# Allegro board RK3588S_Template_LP4XD200P232SD8H2_31X31_2133MHz_H1R0_V11_20220218YWQ.brd (continued)
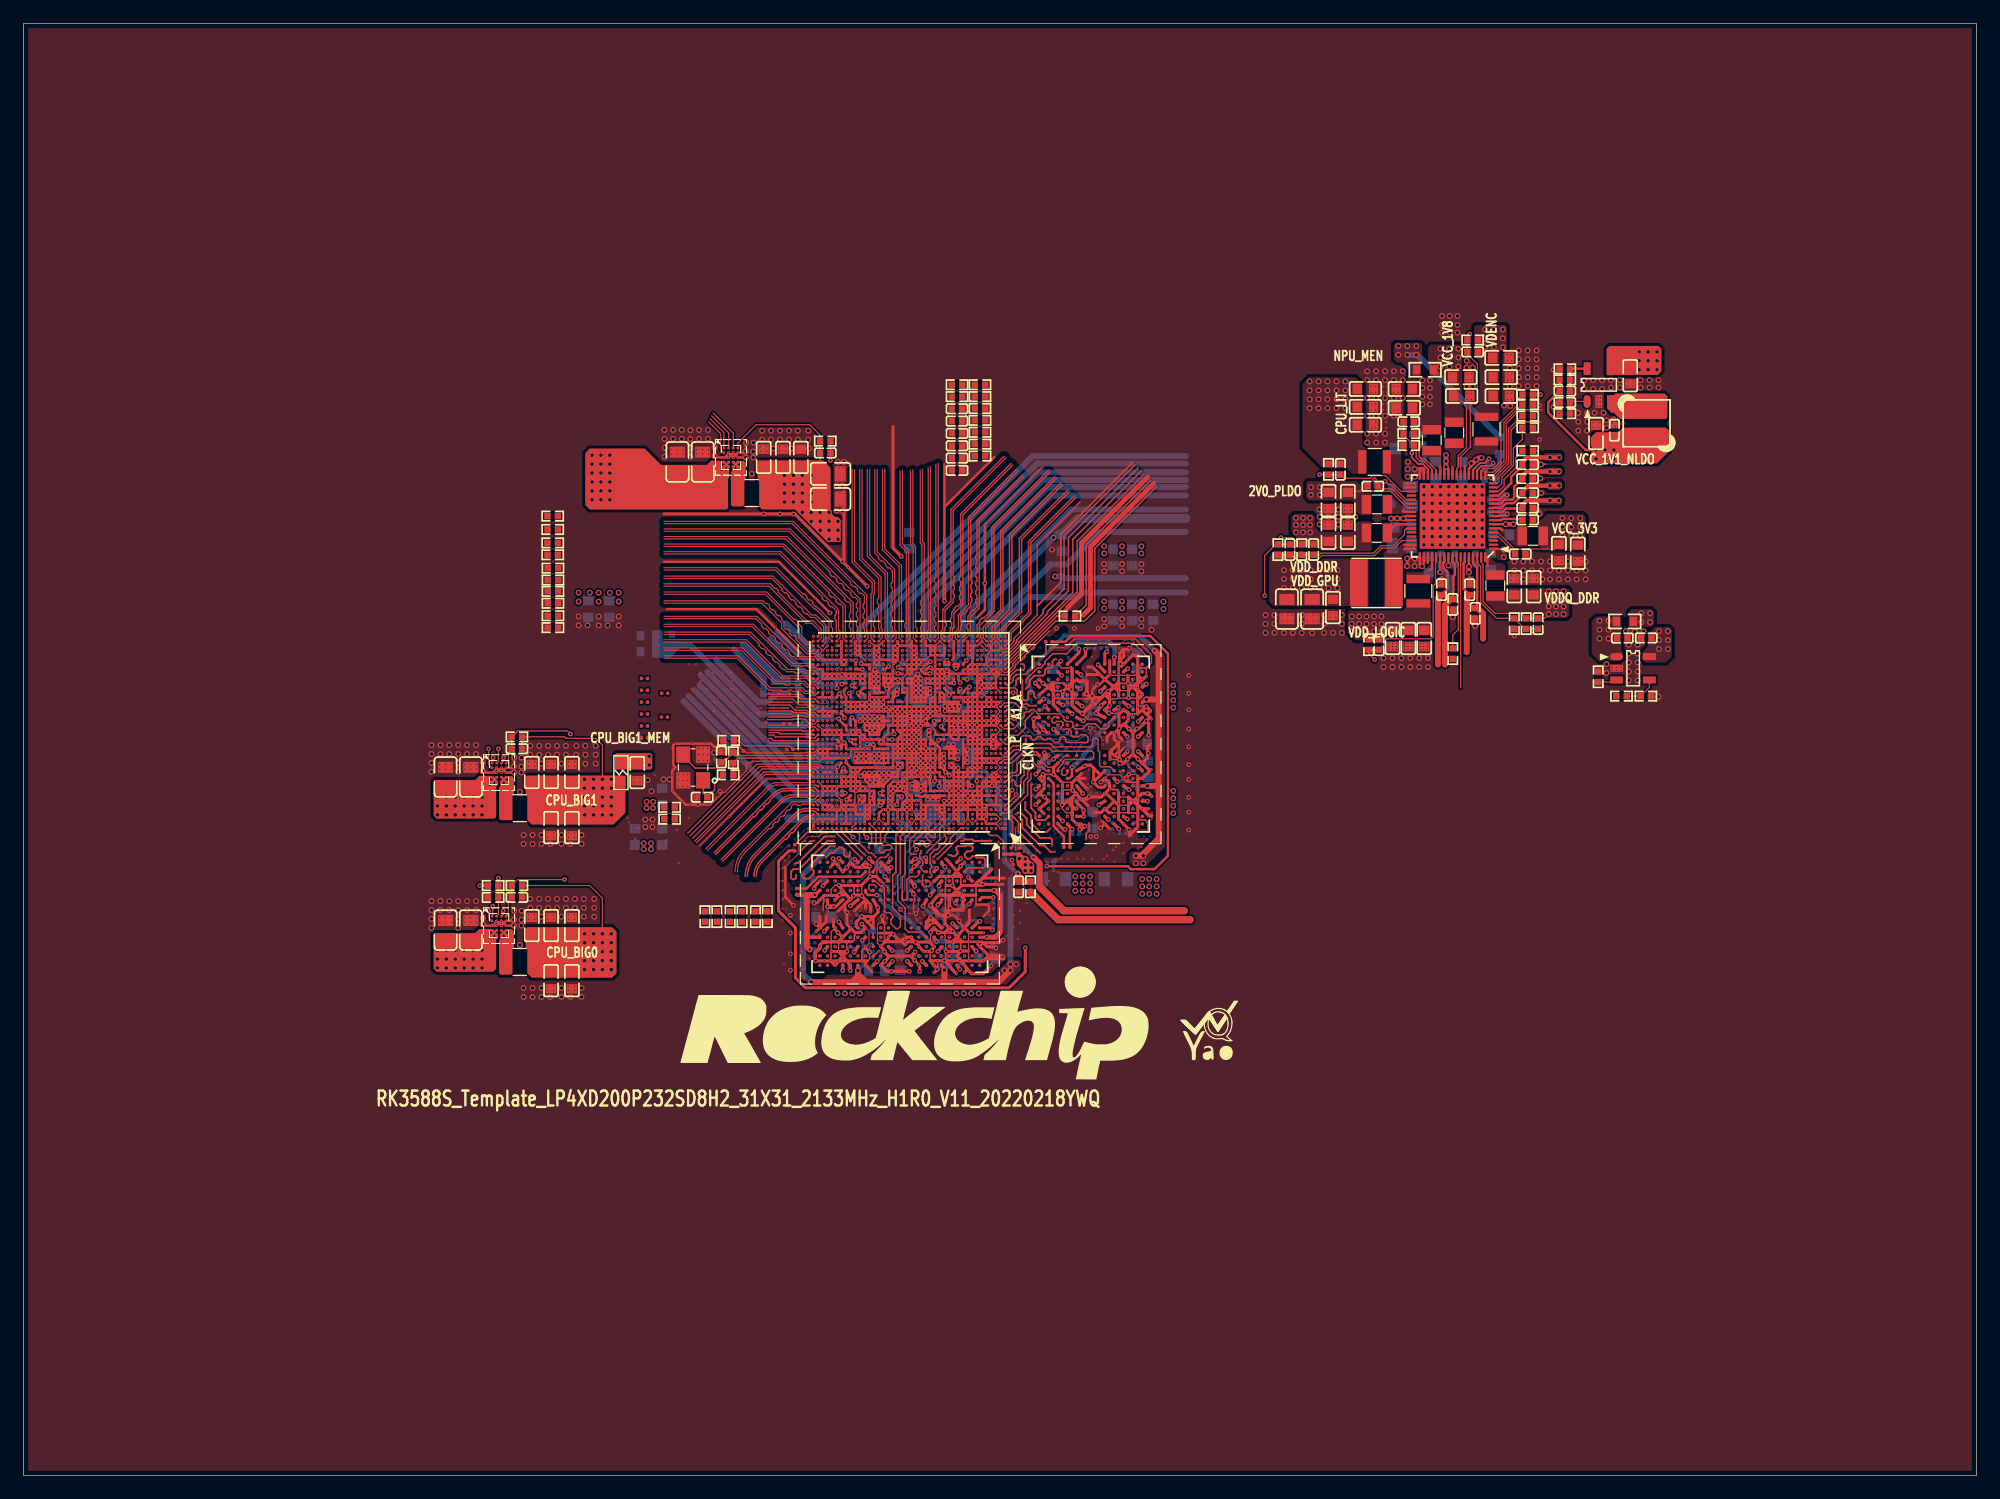
[diagram p0: board, top side]
## Routing (per net, layer and track width the routed paths; a pad name or vN(x,y) marks a point on that pad's centre or on a via; arc(x,y) is an arc through that point) (continued)
; v7(72.69,69.7) v7(72.69,70.1) ; 81.09,64.19 v2(81.09,63.7) ; 81.09,64.19 v1(81.06,64.15) ; v2(81.09,63.7) v2(81.09,63.3) ; v2(81.09,63.7) v2(80.69,63.7) ; v2(76.69,65.7) v2(77.09,65.7) ; v1(74.66,70.9) v7(74.29,70.9) v7(74.29,70.5) ; v1(74.66,70.9) v7(75.09,70.9) v7(75.49,70.9) v7(75.89,70.9) ; v2(71.09,60.1) v2(70.69,60.1) ; v2(71.09,60.1) v2(71.09,59.7) ; v2(71.09,60.1) 71.29,60.1 71.49,60.3 v2(71.49,60.5) ; v2(71.09,60.1) v7(71.09,60.5) ; v2(70.69,60.1) U1000.P34 ; v2(79.89,64.9) v2(79.89,64.5) ; v2(75.09,56.9) 74.75,56.9 ; v1(76.4,60.05) 76.63,60.05 v2(76.71,60.12) ; v1(76.4,60.05) 76.35,60.1 ; v1(76.4,60.05) 76.4,59.74 76.43,59.72 ; v7(73.89,58.09) U1000.G26 ; v7(73.89,58.09) v7(73.89,58.5) ; v1(75.08,65.25) 75.06,65.28 v1(74.68,65.28) ; v1(75.08,65.25) 75.49,65.25 ; v2(77.49,67.7) v2(77.89,67.7) ; 76.43,59.72 76.68,59.72 v7(76.69,59.7) ; 76.43,59.72 v7(76.41,59.7) v7(75.89,59.7) ; v2(76.29,61.3) v2(76.29,60.9) ; v2(76.29,61.3) v7(76.29,61.65) 76.29,61.67 ; v2(76.29,61.3) v2(75.89,61.3) ; v2(76.29,60.9) 76.29,60.46 v1(76.3,60.45) ; v2(76.29,60.9) 76.62,60.9 v1(76.66,60.86) ; v2(76.29,60.9) v7(75.89,60.9) ; 82.29,69.77 v2(82.29,70.1) ; 82.29,69.77 U1000.AT5 v2(81.89,69.3) v7(81.49,69.3) ; 82.29,69.77 v7(82.36,69.7) v2(82.69,69.7) ; v2(74.69,61.3) v7(74.69,61.7) ; v2(74.69,61.3) v2(74.29,61.3) ; v2(74.69,61.3) v7(75.09,61.3) ; v7(74.69,61.7) v7(74.69,62.1) ; v7(74.69,61.7) v2(74.29,61.7) ; v2(81.89,65.7) 81.89,66.07 v2(81.86,66.1) ; v2(81.89,65.7) v7(81.89,64.9) ; v2(81.89,65.7) v7(82.29,65.7) ; U1000.AR41 U1000.AR40 v7(68.29,68.5) ; v2(76.29,64.9) 75.72,64.9 v1(75.72,64.9) 75.71,64.9 U1000.AE22 ; v2(76.29,64.9) U1000.AE19 ; v2(76.29,64.9) v7(76.29,64.5) ; v7(69.09,58.9) v7(68.69,58.9) ; v7(69.09,58.9) U1000.K37 ; v7(69.09,58.9) v7(69.09,58.5) ; v7(68.69,58.9) v7(68.69,58.5) ; v7(68.69,58.9) v7(68.29,58.9) v7(68.29,58.5) ; v1(81.46,64.15) 81.49,64.18 ; v1(81.46,64.15) v1(81.06,64.15) ; v7(68.29,55.7) 68.29,56.08 68.28,56.1 ; v2(71.09,68.1) v2(70.69,68.1) ; 76.35,60.1 76.3,60.15 v1(76.3,60.45) ; v2(69.09,56.9) v7(68.69,56.9) ; v2(69.09,56.9) v2(69.49,56.9) ; 92.94,61.77 v2(93.19,61.52) ; v2(93.19,61.52) 93.31,61.52 93.58,61.26 ; v2(93.19,61.52) v2(93.58,61.91) 93.58,62.59 v2(93.73,62.74) ; v2(79.89,60.1) 79.89,60.42 v1(79.86,60.45) 79.81,60.5 v2(79.49,60.5) ; v2(79.89,60.1) v2(79.49,60.1) ; 81.49,58.9 81.49,58.89 v2(81.49,58.5) ; 81.49,58.9 v2(81.49,58.9) ; 81.49,58.9 82.25,58.9 ; v7(77.49,59.7) v7(77.09,59.7) ; v7(77.49,59.7) 77.49,59.56 77.44,59.5 77.44,59.22 77.49,59.16 v2(77.49,58.9) 77.49,58.52 77.52,58.5 v2(77.89,58.5) v2(78.29,58.5) v2(78.69,58.5) ; v7(77.49,59.7) v2(77.49,60.1) ; v7(77.09,59.7) v7(76.69,59.7) ; v7(82.69,64.1) v7(83.09,64.1) U1000.AD3 ; v2(76.29,69.3) v2(76.29,68.9) v2(75.89,68.9) ; v2(76.29,69.3) v2(75.89,69.3) ; v2(76.29,69.3) v7(76.29,70.1) ; v7(73.89,58.5) v7(73.89,58.9) ; v7(68.29,68.5) v7(68.29,68.1) v7(68.69,68.1) ; v7(68.29,68.5) v7(68.69,68.5) ; v2(79.89,64.5) v2(80.29,64.5) ; v1(71.15,58.53) 71.12,58.5 v2(70.69,58.5) v2(70.69,58.9) ; v2(78.69,58.5) v2(78.69,58.9) ; v1(77.06,64.47) 77.03,64.5 v7(76.69,64.5) ; v1(77.06,64.47) 77.49,64.89 v1(77.49,64.9) ; v2(77.89,70.1) 77.49,70.1 v7(77.49,70.5) ; v2(77.89,70.1) v7(77.89,70.5) ; v2(77.89,70.1) v7(77.89,69.7) v2(77.89,69.3) v2(77.89,68.9) ; v2(77.89,70.1) v7(78.29,70.1) v2(78.69,70.1) v7(78.69,70.5) v7(78.69,70.9) ; v2(79.09,64.9) v2(78.69,64.9) ; v2(79.09,64.9) v2(79.09,64.5) ; v7(74.69,62.1) v7(74.29,62.1) ; v7(74.69,62.1) v7(75.09,62.1) ; v7(74.69,62.1) v2(74.69,62.5) ; v7(74.29,62.1) v2(74.29,61.7) ; v7(74.29,62.1) 74.29,62.43 v2(74.29,62.43) ; v2(81.89,68.5) v2(81.49,68.5) ; v2(81.89,68.5) v2(82.29,68.5) 82.63,68.5 ; v2(81.89,68.5) v2(81.89,68.1) ; v2(81.49,68.5) v2(81.49,68.1) ; v2(81.49,68.5) v2(81.09,68.5) ; v2(81.49,68.5) 81.49,68.88 ; v7(68.69,63.3) v7(68.69,63.7) ; v7(68.69,63.3) v7(69.09,63.3) ; v7(68.69,63.3) v7(68.29,63.3) v7(68.29,63.7) v7(68.69,63.7) ; v7(68.69,63.7) v7(69.09,63.7) ; v2(78.29,56.5) 78.29,56.6 ; U3801.P10 73.25,45.23 73.56,45.54 ; v7(77.49,61.7) v7(77.89,61.7) ; U1000.AE22 75.49,65.25 75.49,65.25 ; U1000.AE22 U1000.AD22 ; v7(75.89,69.7) v2(75.89,69.3) ; v7(75.89,69.7) v7(75.89,70.1) ; v2(75.89,69.3) v7(75.49,69.3) ; v2(75.89,69.3) v2(75.89,68.9) ; v2(75.89,65.3) v2(75.54,65.3) 75.49,65.26 ; v2(75.89,65.3) 75.89,64.01 ; 73.86,68.5 v2(74.29,68.5) ; 73.86,68.5 v2(73.49,68.5) 73.49,68.1 ; v7(69.49,56.1) 69.49,56.9 v2(69.49,56.9) ; v7(69.49,56.1) v7(69.04,56.1) ; v7(69.49,56.1) U1000.C37 ; v2(71.09,59.7) v2(71.09,59.3) ; v7(68.29,61.7) v7(68.69,61.7) ; v2(40.44,60.47) 40.44,60.47 v2(40.84,60.07) v2(41.24,60.47) 41.8,60.47 v5(41.91,60.58) 41.91,61.32 v5(41.94,61.34) ; v7(71.89,55.7) 71.89,56.06 ; v2(79.09,58.9) 79.09,58.58 v1(79.13,58.54) ; v2(79.09,58.9) v2(79.09,59.3) ; v2(79.09,58.9) v2(78.69,58.9) ; v2(76.69,63.7) v7(76.69,63.3) ; v7(76.69,63.3) v1(76.29,63.3) ; v7(76.69,63.3) v7(76.69,62.9) ; v7(71.09,70.5) v7(71.49,70.5) ; v7(71.09,70.5) v7(71.09,70.1) v2(71.49,70.1) v7(71.49,70.5) ; v7(71.09,70.5) v7(71.09,70.9) ; v7(71.49,70.5) v7(71.49,70.9) v7(71.09,70.9) ; v7(77.89,65.3) v7(77.49,65.3) ; v7(77.89,65.3) v2(77.89,65.7) ; v7(77.89,65.3) 78.13,65.3 v1(78.21,65.22) ; v7(77.89,65.3) v2(77.89,64.9) ; v7(77.49,65.3) v1(77.49,64.9) ; v7(77.49,65.3) v1(77.09,65.3) ; v7(77.49,65.3) v2(77.49,65.7) ; v2(74.69,62.5) v7(75.09,62.5) ; v7(75.09,62.5) v7(75.49,62.5) ; v7(75.09,62.5) v7(75.09,62.1) ; v1(79.6,64.16) 79.5,64.06 79.09,64.06 ; v1(79.6,64.16) 79.49,64.27 ; v7(69.09,65.3) v7(68.69,65.3) ; v7(69.09,65.3) v7(69.09,64.9) v7(68.69,64.9) ; v7(69.09,65.3) v7(69.49,65.3) ; v7(68.69,65.3) v7(68.29,65.3) ; v7(68.69,65.3) v7(68.69,64.9) ; 83.07,59.7 v7(83.49,59.7) ; v2(76.69,57.3) v2(77.89,57.3) ; v2(70.29,57.3) v2(69.89,57.3) ; v2(70.29,57.3) v2(70.69,57.3) v2(71.09,57.3) v2(71.09,56.9) ; v1(76.29,63.3) v1(76.29,62.9) ; v1(76.29,62.9) v7(76.69,62.9) ; v1(76.29,62.9) v1(76.29,62.5) ; v7(70.69,63.3) 71.07,63.3 ; v7(72.69,65.7) 72.3,65.7 v1(72.26,65.66) ; v7(72.69,65.7) v7(72.69,65.3) ; v7(72.69,65.7) U1000.AH29 ; v7(72.69,65.7) v7(73.09,65.7) ; v2(77.89,68.9) 77.64,68.9 v1(77.5,69.04) 77.32,69.04 77.18,68.9 v2(77.09,68.9) ; v2(77.89,68.9) v2(78.29,68.9) ; 75.49,65.26 75.49,65.25 ; v2(74.69,64.9) 74.69,65.26 v1(74.68,65.28) ; v2(81.09,68.5) v2(81.09,69.3) ; v2(81.09,68.5) v2(80.69,68.5) ; v2(81.09,69.3) v7(81.49,69.3) ; v2(81.09,69.3) v2(81.09,69.7) v2(81.09,70.1) ; 76.29,61.67 U1000.U20 ; 76.29,61.67 76.27,61.7 v7(75.89,61.7) ; v7(76.69,64.5) 76.69,64.07 ; v7(76.69,64.5) v7(76.29,64.5) ; v7(76.69,64.5) U1000.AE19 ; 79.1,58.09 79.11,58.1 v2(79.49,58.1) v2(79.89,58.1) ; v2(81.49,65.3) v2(81.89,65.3) ; v2(81.49,65.3) v2(81.09,65.3) ; v2(77.09,62.5) 77.09,62.15 v1(77.11,62.13) ; v2(77.09,62.5) v2(76.69,62.5) ; v2(77.09,62.5) v7(77.09,62.9) v7(76.69,62.9) ; v2(72.69,57.7) 72.55,57.7 v1(72.38,57.88) ; v2(72.69,57.7) v2(72.69,58.1) ; v2(78.29,57.3) v2(77.89,57.3) ; v2(78.29,57.3) 78.29,56.6 ; v2(78.29,57.3) v2(78.69,57.3) ; v2(77.89,57.3) v7(77.89,56.9) 78.43,56.9 v1(78.51,56.82) ; 71.49,65.8 v1(71.68,65.99) 71.89,65.78 ; v7(75.89,70.5) v7(75.89,70.9) ; v7(75.89,70.5) v7(75.89,70.1) ; v7(75.89,70.5) v7(76.29,70.5) ; v7(75.89,70.9) v2(75.89,71.3) ; v7(75.89,70.9) v7(76.29,70.9) v7(76.29,70.5) ; v2(79.89,58.1) v1(79.89,58.5) ; v2(79.89,58.1) v2(81.89,58.1) v7(82.69,58.1) v7(83.09,58.1) v7(83.09,57.7) v7(83.09,57.3) ; v2(79.89,58.1) 79.88,58.09 v2(79.88,57.7) ; v1(79.89,58.5) v2(79.49,58.5) 79.17,58.5 v1(79.13,58.54) ; v1(74.73,68.02) 74.68,68.07 74.6,68.07 74.57,68.1 ; 74.68,69.7 v2(74.69,69.7) v7(74.69,70.15) ; v2(78.69,57.3) 78.69,56.64 ; v2(78.69,57.3) v2(79.09,57.3) ; 78.69,56.64 v1(78.51,56.82) ; v7(75.49,62.5) v1(75.89,62.5) ; v1(75.89,62.5) 75.89,62.08 v1(75.9,62.08) ; v1(75.89,62.5) v1(76.29,62.5) ; v2(80.29,64.5) v2(80.69,64.5) ; v2(81.09,63.3) 81.09,63.23 ; v2(76.69,62.5) v1(76.29,62.5) ; v2(76.69,62.5) v7(76.69,62.9) ; v2(80.29,57.3) v2(80.29,57.7) ; v2(80.29,57.3) v2(80.69,57.3) ; v2(80.29,57.3) 79.91,57.3 v7(79.88,57.28) ; v2(80.29,57.7) v2(80.69,57.7) ; v2(80.29,57.7) v2(79.88,57.7) ; v2(79.09,57.3) 79.5,57.3 v7(79.5,57.3) 79.86,57.3 v7(79.88,57.28) ; v2(70.29,68.1) v7(70.29,68.5) ; v2(70.29,68.1) v2(70.69,68.1) ; v2(70.29,68.1) v2(69.49,68.1) ; v7(70.29,68.5) 70.02,68.5 ; v7(70.29,68.5) v7(70.69,68.5) ; v2(77.89,66.1) v2(77.89,65.7) ; v2(77.89,66.1) v2(77.49,66.1) ; v2(77.89,65.7) v2(77.49,65.7) ; v2(77.89,65.7) v2(78.29,65.7) 78.29,65.3 v1(78.21,65.22) ; v1(90.25,55.21) 90.25,55.44 90.02,55.67 v7(89.99,55.67) ; v7(79.88,57.28) v2(79.88,57.7) ; 80.26,45.61 v7(80.77,45.61) v7(81.53,45.61) ; v7(75.49,59.7) v7(75.89,59.7) ; v7(75.49,59.7) v2(75.49,59.3) ; v7(75.49,59.7) v7(75.09,59.7) ; v7(69.04,56.1) 69.09,56.05 v7(69.09,55.7) ; v7(69.04,56.1) v2(68.69,56.1) v2(68.29,56.1) 68.28,56.1 ; v2(75.09,59.3) v7(75.09,59.7) ; v2(75.09,59.3) v2(75.49,59.3) ; 71.89,65.78 71.89,66.03 71.96,66.1 ; U1000.D7 81.49,56.5 v2(82.69,56.5) ; U1000.D7 v2(81.49,56.9) v2(81.49,57.3) ; 81.49,67.36 v2(81.49,66.9) ; 81.49,67.36 v2(81.55,67.3) v2(82.29,67.3) ; 78.29,56.6 v1(78.51,56.82) ; v7(72.69,70.1) v7(72.69,70.5) ; v2(69.89,57.3) v2(69.89,57.7) ; v7(75.89,70.1) v7(76.29,70.1) ; v7(83.09,57.3) v7(82.69,57.3) 82.37,57.3 ; v7(83.09,57.3) v7(83.49,57.3) v7(83.49,56.9) ; v2(75.09,63.7) v2(75.09,63.3) ; v2(75.09,63.7) v2(74.69,63.7) ; v2(77.49,60.1) v2(77.89,60.1) ; v2(69.49,68.1) v7(69.49,68.5) ; v2(80.69,65.3) v2(81.09,65.3) ; v7(77.89,67.3) v7(78.29,67.3) v7(78.29,67.7) ; v7(77.89,67.3) v2(77.89,67.7) ; v7(80.69,70.9) v2(80.69,71.3) ; v2(74.29,68.5) v2(74.29,68.1) ; v2(74.29,68.5) v2(74.29,68.9) ; v2(74.29,68.1) 73.49,68.1 ; v2(74.29,68.1) v2(74.29,67.7) ; v2(74.29,68.1) 74.57,68.1 ; v7(70.29,66.1) v2(70.29,65.7) ; v7(70.29,66.1) v7(70.29,66.5) ; v7(70.29,66.1) v2(69.89,66.1) ; v7(78.29,67.7) v2(77.89,67.7) ; v1(77.49,64.9) v2(77.89,64.9) ; v1(74.68,65.28) 74.69,65.29 v2(74.69,65.7) ; 79.07,63.3 79.13,63.36 v2(79.13,63.7) ; 79.07,63.3 79.47,62.9 v2(79.89,62.9) v2(79.89,63.3) ; 79.07,63.3 v2(78.69,63.3) v2(78.29,63.3) v2(77.89,63.3) v2(77.89,63.7) ; 79.07,63.3 v2(79.49,63.3) ; v7(82.69,62.9) v2(82.29,62.9) ; v2(78.29,68.9) 78.67,68.9 ; 78.69,86.41 78.69,82.75 ; 78.69,82.75 82.97,87.04 ; 78.69,82.75 v7(78.69,80.14) ; 81.09,63.23 81.09,63.2 ; v7(73.09,56.1) 73.09,56.58 73.41,56.9 v2(73.49,56.9) 73.86,56.9 v1(73.89,56.87) 73.92,56.9 v2(74.29,56.9) ; v7(76.29,64.5) 76.26,64.46 v1(76.26,64.05) ; v2(80.69,57.3) v2(80.69,57.7) ; v2(80.69,57.3) v2(81.09,57.3) ; v2(80.69,57.7) v2(81.09,57.7) ; 73.49,68.1 U1000.AM27 ; v7(73.89,65.3) v7(73.49,65.3) ; v7(68.29,58.5) v2(68.29,58.1) ; v7(68.29,58.5) v7(69.09,58.5) ; v2(78.69,64.9) v7(78.69,64.5) v2(79.09,64.5) ; v2(78.69,64.9) v2(77.89,64.9) ; v7(76.29,70.5) v7(76.29,70.1) ; v7(73.89,57.33) v7(73.89,56.5) v7(73.89,56.1) v7(73.89,55.7) v2(73.49,55.7) ; v7(73.89,57.33) v7(74.22,57.33) ; v2(75.49,58.5) v7(75.49,58.9) ; v2(75.49,58.5) U1000.J24 ; v2(75.49,58.5) v2(75.49,58.1) ; v7(75.49,58.9) v2(75.49,59.3) ; v2(76.71,60.12) 76.71,59.72 v7(76.69,59.7) ; v7(81.09,62.5) v2(81.09,61.7) ; v7(81.09,62.5) 81.09,63.2 ; v2(79.09,59.3) v2(78.69,59.3) ; v5(61.75,88.27) 61.72,88.24 v5(61.72,87.5) 61.61,87.4 v2(61.05,87.4) U2302.B4 v2(60.65,87) U2302.B2 v2(60.25,87.4) ; 81.49,68.88 v7(81.49,69.3) ; v7(73.09,65.3) v7(72.69,65.3) ; v7(73.09,65.3) v7(73.49,65.3) ; v7(73.09,65.3) v7(73.09,65.7) ; U1000.C24 v7(74.69,56.52) 74.69,56.84 ; 65.1,52.02 65.1,49.42 v1(65.79,48.73) ; v2(75.49,61.3) v2(75.89,61.3) ; v2(75.49,61.3) v7(75.09,61.3) ; v2(75.49,61.3) 75.49,60.88 ; v1(76.3,60.45) v1(75.9,60.45) ; v2(79.49,63.3) v2(79.49,63.7) ; v2(79.49,63.3) v2(79.89,63.3) ; v2(79.49,63.7) 79.49,63.7 v2(79.13,63.7) ; v2(79.49,63.7) 79.49,64.27 ; v2(79.49,63.7) v2(79.89,63.7) ; v7(77.89,70.5) v7(77.89,70.9) v7(77.49,70.9) ; v7(77.89,70.5) v7(77.49,70.5) ; v2(80.69,68.5) v2(80.29,68.5) ; v2(78.69,59.3) v7(78.69,59.7) 78.35,59.7 78.29,59.76 v2(78.29,60.1) v2(77.89,60.1) ; v2(78.69,59.3) v2(78.69,58.9) ; v7(74.29,70.5) 74.66,70.5 v7(74.69,70.54) ; v7(75.49,69.3) v2(75.09,69.3) ; v7(75.49,69.3) v2(75.49,68.5) v2(75.89,68.5) v2(75.89,68.9) ; U1000.J24 74.69,58.96 ; v2(80.69,63.7) v2(80.29,63.7) ; v2(80.69,63.7) v2(80.69,64.5) ; v2(69.49,63.7) v2(69.49,63.3) ; v2(69.49,63.7) v7(69.09,63.7) ; v2(75.89,61.3) v7(75.89,61.7) ; v2(75.89,61.3) v7(75.89,60.9) ; v2(82.29,62.9) v7(81.89,62.9) ; 71.96,66.1 U1000.AH29 ; U1000.AM27 73.7,67.91 v1(73.9,67.91) 74.08,67.91 v2(74.29,67.7) ; U1000.AM27 v2(74.29,67.7) ; v2(71.49,60.5) v7(71.89,60.5) v2(72.29,60.5) v2(72.69,60.5) v2(73.09,60.5) v2(73.49,60.5) v2(73.89,60.5) v2(74.29,60.5) v7(74.29,60.9) v2(74.29,61.3) ; v2(71.49,60.5) v7(71.09,60.5) ; 81.09,61.26 v2(81.09,61.7) ; 81.09,61.26 v2(81.09,60.9) ; v7(73.09,65.7) v2(73.09,66.1) ; v7(73.09,65.7) 73.47,65.7 v1(73.51,65.66) ; v1(75.9,60.45) 75.89,60.46 v7(75.89,60.9) ; v5(39.24,60.2) 39.37,60.07 v2(40.04,60.07) v2(40.44,60.07) v2(40.84,60.47) v2(41.24,60.07) v5(41.91,60.07) ; v2(79.89,56.1) v7(79.89,55.7) v2(80.29,55.7) ; v2(79.89,56.1) v7(79.49,56.1) 79.49,56.1 v2(79.49,60.5) ; 74.15,46.25 v7(73.9,46) 73.9,45.88 73.63,45.61 ; v2(79.89,63.3) v2(79.89,63.7) ; v2(79.89,63.3) v2(80.29,63.3) ; 70.02,68.5 v1(69.95,68.43) 69.93,68.4 v2(69.93,68.12) ; 70.02,68.5 v7(69.49,68.5) ; v7(75.89,61.7) 75.89,62.07 v1(75.9,62.08) ; v2(80.69,66.5) v2(80.29,66.5) ; v2(80.69,66.5) v2(81.09,66.5) ; v2(75.49,58.1) v2(75.49,57.7) ; v7(68.69,68.1) v7(68.69,68.5) ; v1(80.91,63.01) 81.02,62.9 v7(81.89,62.9) ; v1(80.91,63.01) 81.09,63.2 ; v2(74.29,61.7) v2(74.29,61.3) ; v2(77.49,66.1) v2(77.49,65.7) ; v7(69.09,63.7) v7(69.09,63.3) ; v7(93.58,69.15) 93.82,69.15 v2(93.99,69.32) 93.71,69.61 v3(93.66,69.61) 93.58,69.54 v7(93.58,69.15) ; v7(93.58,69.15) v7(93.58,68.39) 93.58,67.88 ; v7(71.09,71.3) v7(71.09,70.9) ; v1(77.09,65.3) v2(77.09,65.7) ; v5(59.05,87.12) 59.18,87 v2(59.85,87) v2(60.25,87) v2(60.65,87.39) v2(61.05,87) v5(61.72,87) ; v2(72.69,58.1) 72.6,58.1 v1(72.38,57.88) ; v2(81.49,66.9) v2(81.89,66.9) v2(81.89,68.1) ; v2(81.49,66.9) U1000.AJ7 ; v2(81.49,66.9) v7(81.15,66.9) 81.09,66.84 v2(81.09,66.5) ; v1(76.26,64.05) v1(75.85,64.05) ; v2(80.29,66.5) v2(79.89,66.5) v2(79.49,66.5) ; v7(77.49,70.9) v2(77.09,70.9) v2(77.09,71.3) ; v7(77.49,70.9) v7(77.49,70.5) ; v2(79.89,63.7) v2(80.29,63.7) ; v7(76.69,59.7) 76.71,59.68 v2(76.71,59.39) ; v7(69.89,69.7) v2(70.29,69.7) v7(70.29,69.3) v2(69.89,69.3) v7(69.89,69.7) ; v7(69.89,69.7) v2(69.6,69.7) v7(69.09,69.7) v7(68.69,69.7) v7(68.29,69.7) ; 55.52,62.15 v2(55.52,61.65) 55.52,60.68 55.7,60.5 55.43,60.23 v2(55.43,59.87) v2(55.43,58.49) v2(55.83,58.09) v2(56.34,57.58) 56.59,57.33 v2(56.97,57.33) v1(57.61,57.33) v2(58.5,57.33) ; 55.52,62.15 55.52,62.43 v2(55.63,62.53) v2(57.1,62.53) v2(58.37,62.53) 58.75,62.53 59,62.28 v2(59.45,62.28) ; 55.52,62.15 55.45,62.15 ; 75.49,60.88 75.51,60.9 v7(75.89,60.9) ; 75.49,60.88 75.49,60.5 ; v2(75.89,68.9) v2(75.49,68.9) ; 82.63,68.5 82.69,68.57 v2(82.69,68.9) v7(83.09,68.9) v7(83.09,68.5) ; 82.63,68.5 v7(82.69,68.5) v7(83.09,68.5) ; v2(73.09,66.1) 73.42,66.1 v1(73.46,66.07) 73.51,66.01 v1(73.51,65.66) ; v2(73.09,66.1) U1000.AH29 ; v2(81.89,63.3) v7(81.89,62.9) ; v7(74.22,57.33) 74.22,56.97 v2(74.29,56.9) ; 74.75,56.9 74.69,56.84 ; 74.75,56.9 v2(74.29,56.9) ; 74.69,56.84 v7(74.69,56.9) ; U1000.AD3 v7(83.49,64.5) ; U3800.P10 93.96,60.87 v1(93.66,61.18) ; v1(80.42,64.11) 80.29,63.99 v2(80.29,63.7) ; v1(80.42,64.11) 80.46,64.15 v1(81.06,64.15) ; v2(79.09,64.5) 79.09,64.06 ; v2(71.49,58.9) v2(71.49,59.3) v2(71.09,59.3) ; v2(80.29,63.7) v2(80.29,63.3) ; v7(74.69,70.15) v7(74.69,70.54) ; v5(39.24,47.12) 39.37,46.99 v2(40.04,46.99) v2(40.44,46.99) v2(40.84,47.39) v2(41.24,46.99) v5(41.91,46.99) ; 83.09,67.74 83.04,67.69 v2(82.69,67.69) ; 83.09,67.74 v7(83.09,67.3) U1000.AL4 ; 83.09,67.74 v2(83.09,68.1) v7(83.09,68.5) ; v7(83.49,70.9) v7(83.49,70.51) 83.1,70.51 v7(83.09,70.5) v2(82.69,70.5) v7(82.69,70.9) v7(82.29,70.9) ; v2(81.09,57.3) v2(81.49,57.3) ; v2(81.09,57.3) v2(81.09,57.7) ; v7(83.09,68.5) v2(83.49,68.5) ; 79.09,64.06 79.09,63.73 v2(79.13,63.7) ; U1000.D4 v7(83.09,56.5) ; v2(75.09,63.3) v2(74.69,63.7) ; v2(75.09,67.7) v2(75.09,68.1) 74.57,68.1 ; v2(75.09,67.7) v2(74.29,67.7) ; v2(75.09,67.7) v2(75.09,67.3) ; v7(73.02,46.36) v7(73.57,46.36) ; v2(75.49,57.7) v2(75.49,56.5) v7(75.49,56.1) ; 54.99,74.04 62.61,74.04 v7(64.26,72.39) v7(65.53,71.12) v7(66.37,70.28) ; v7(73.89,58.9) v2(74.29,58.9) ; v7(68.69,64.9) v7(68.29,64.9) v7(68.29,65.3) ; v2(94.09,62.23) 93.64,61.78 93.64,61.2 ; v7(77.89,60.9) v1(77.49,60.9) ; v7(77.89,60.9) 77.89,61.3 v2(77.89,61.3) ; v2(81.89,68.1) v2(81.49,68.1) ; v2(69.49,63.3) v7(69.09,63.3) ; v7(83.09,61.3) v7(83.09,60.9) v2(82.69,60.9) ; v7(81.53,45.61) 81.53,45.37 v2(81.7,45.2) 81.99,45.49 v3(81.99,45.54) 81.91,45.61 v7(81.53,45.61) ; v1(75.85,64.05) 75.89,64.01 ; v7(81.49,62.1) v2(81.09,62.1) ; v2(79.75,46) 79.86,46 v2(80.01,45.85) 80.14,45.72 80.14,45.61 80.04,45.71 ; v2(77.49,65.7) v2(77.09,65.7) ; 82.25,58.9 v2(83.09,58.9) ; v7(68.29,65.3) v2(68.29,65.7) ; v7(68.29,65.3) v7(67.89,65.3) ; v2(82.29,67.3) U1000.AL4 ; v3(82.04,47.8) 82.5,48.25 v7(82.5,48.79) 81.48,48.79 v7(81.39,48.69) ; U1000.P34 v7(71.09,60.5) ; v1(72.26,65.66) v1(72.26,66.07) ; v7(81.09,66.1) v2(81.09,66.5) ; v7(68.29,66.5) v7(68.29,66.9) ; v7(68.29,66.5) v7(67.89,66.5) ; v7(68.29,66.5) v7(68.69,66.5) v7(69.09,66.5) v2(69.09,66.9) ; v1(68.91,73.71) v7(67.69,74.93) 64.55,78.07 54.74,78.07 ; v2(81.49,57.3) 82.37,57.3 ; v2(81.49,57.3) v2(81.49,58.5) ; 68.28,56.1 v2(67.89,56.1) ; v2(79.49,60.5) v2(79.49,60.9) v2(79.09,60.9) v2(79.09,60.5) v2(79.49,60.5) ; v2(71.89,56.9) U1000.E30 ; U1000.AJ7 v2(81.09,66.5) ; v2(81.49,58.5) v2(81.89,58.5) ; v2(82.3,56.9) 82.3,57.22 82.37,57.3 ; v2(77.89,61.3) 77.89,61.31 v7(77.89,61.7) ; v1(59.51,58.47) 59.6,58.38 ; v2(71.49,62.1) v2(72.29,62.1) ; v2(71.49,62.1) v2(71.09,62.1) v7(70.72,62.1) U1000.V34 ; v2(75.85,44.4) 75.85,44.31 v1(76.15,44.01) 76.5,43.66 v2(76.5,43.6) ; v7(82.69,61.3) v2(82.69,60.9) ; v2(82.69,60.9) v2(81.09,60.9) ; v7(83.89,55.3) v7(83.49,55.3) ; v2(70.69,68.1) v7(70.69,68.5) ; v2(81.43,73.26) 82.15,73.98 v2(82.15,74.55) v2(82.15,75.11) v1(82.15,76.25) v2(82.15,76.96) v2(82.15,77.72) v2(82.15,78.36) v2(82.15,78.74) v2(82.15,79.38) v2(82.15,79.76) v2(82.15,80.14) v2(82.15,80.39) v2(82.15,80.77) 82.15,81.26 v2(82.17,81.28) ; v2(40.44,47.39) v2(40.84,46.99) v2(41.24,47.39) 41.8,47.39 v5(41.91,47.5) ; v2(70.29,67.3) 70.14,67.14 v2(70.14,67.07) ; v2(79.38,69.67) 79.49,69.79 v7(79.49,70.1) v7(79.49,70.5) v7(79.49,70.9) v7(79.49,71.3)
  TOP w0.254: U3800.K9 93.19,62.94 v2(93.45,62.68) 93.45,62.45 93,61.99 92.94,61.99 92.94,61.94 ; U3800.K9 v2(93.19,63.48) 93.26,63.48 93.58,63.8 ; U3800.K9 92.94,63.47 92.58,63.12 92.58,62.74 ; v7(87.22,56.55) v7(86.79,56.97) v7(87.16,57.27) v7(87.59,57.62) v1(87.25,57.97) v7(86.79,58.27) ; 94.79,62.77 v2(94.79,61.52) ; 94.79,62.77 v2(94.79,63.48) ; 94.79,62.77 v2(94.72,62.7) ; v2(94.79,61.52) 94.64,61.52 v1(94.33,61.21) ; v2(94.79,61.52) 94.94,61.52 v1(95.23,61.23) 95.59,60.87 v2(95.59,60.87) ; 89.57,57.34 89.57,57.9 89.7,58.04 ; 89.57,57.34 89.47,57.34 ; 89.57,57.34 89.61,57.3 89.61,56.48 v2(89.59,56.45) 89.61,56.43 89.61,56.05 v3(89.62,56.04) 89.62,56.04 v7(89.99,55.67) ; v7(69.76,45.62) 69.74,45.59 68.58,45.59 ; v7(69.76,45.62) 70.74,45.62 ; v7(69.76,45.62) 69.7,45.69 ; 89.59,58.59 89.59,59.17 v7(89.99,59.57) ; 89.47,57.34 89.84,56.97 v7(89.99,56.97) ; 89.47,57.34 v7(89.19,57.62) ; 83.69,50.52 v1(81.98,50.52) ; v1(81.98,50.52) 81.88,50.42 81.21,50.42 ; v1(81.98,50.52) 81.98,50.52 U3801.A3 81.59,50.8 81.21,50.42 ; 95.21,58.76 95.21,58.58 ; 95.21,58.76 95.21,59.5 ; 95.21,58.76 v2(95.12,58.67) 95.21,58.58 ; 95.21,58.58 v7(95.21,56.58) v7(95.21,56.07) v7(95.21,55.41) 94.48,54.67 v1(94.48,55.19) v2(93.99,55.67) 93.57,56.1 v7(93.57,57.39) ; v1(92.07,59.25) v7(92.39,59.57) v2(92.64,59.33) 92.79,59.17 v7(92.79,58.68) v7(92.39,58.27) ; v1(71.63,47.12) v7(71.95,46.8) v2(71.71,46.55) 71.55,46.4 71.05,46.4 v7(70.65,46.8) ; v7(73.25,50.8) 72.87,51.19 v1(72.34,51.19) 72.34,51.18 72.34,51.17 v7(71.95,50.8) 71.57,50.41 69.7,50.41 v1(69.67,50.44) 69.67,50.44 69.67,50.39 v7(70,50) ; v1(75.69,43.08) v1(74.17,43.08) 73.78,43.08 v2(73.25,43.6) ; v1(74.32,46.25) 74.83,45.74 75.06,45.74 75.16,45.85 v2(75.31,45.85) 75.46,46 v7(75.85,46) 75.85,45.93 76.17,45.61 ; v1(74.32,46.25) 74.21,46.36 v7(73.57,46.36) ; v1(74.32,46.25) 74.15,46.25 ; v7(70.65,46.8) 70.65,46.65 U3801.W9 ; v7(70.65,46.8) 70.36,47.1 v1(70.36,48.13) 70.19,48.3 70.19,48.81 ; v1(72.29,44.72) 71.95,45.06 v2(71.95,45.2) ; v2(91.44,56.66) 92.08,56.66 v7(92.39,56.97) ; 68.07,47.77 68.05,47.75 v2(68.05,46.8) ; 92.15,66.48 v2(92.39,66.72) ; 92.15,66.48 91.46,66.48 v1(91.32,66.61) ; 92.15,66.48 v2(91.7,66.03) 91.6,65.93 v2(91.32,65.93) ; v2(92.39,66.72) 92.79,66.32 ; v2(92.39,66.72) 92.39,66.77 92.64,67.02 v1(92.69,67.02) ; v7(79.75,51.6) v7(80.15,51.2) v7(79.35,51.2) ; v7(79.75,51.6) v7(79.35,51.2) ; v7(79.75,51.6) v1(80.08,52.07) v7(80.4,52.4) ; v7(79.75,51.6) v7(79.5,51.91) U3801.E1 v7(78.8,52.7) ; v3(92.84,61.19) v7(92.84,61.83) 92.94,61.94 ; 82.23,44.16 83.76,44.16 83.66,44.27 v1(83.66,44.33) 83.57,44.42 v2(82.49,44.42) ; 82.23,44.16 v2(82.49,44.42) ; 82.23,44.16 v2(82.05,43.98) v7(81.41,43.98) v7(80.77,43.98) 80.14,43.98 80.06,44.06 v7(80,44) v1(78.68,44) v2(78.1,44) 77.48,44 v3(77.47,44.01) ; v1(92.04,55.35) 92.07,55.35 v2(92.39,55.67) ; v7(92.81,69.66) v7(92.81,68.45) v7(92.39,68.02) ; v7(92.39,58.27) 92.54,58.27 v2(93.19,57.62) ; v7(92.39,58.27) 92.1,57.98 91.09,57.98 v1(91.07,58) 90.87,57.81 v2(90.38,57.81) ; 93.58,67.88 v7(93.58,66.99) ; v7(87.99,66.98) v7(87.99,66.49) 87.99,65.87 v2(88.14,65.73) 88.39,65.47 v7(88.39,65.42) ; v7(87.99,66.98) v7(87.59,67.37) ; v7(87.99,66.98) v7(87.99,67.77) v7(87.59,67.37) ; 81.21,50.42 80.17,50.42 80.09,50.33 ; v2(68.05,46.8) v7(67.71,46.46) ; v2(68.05,46.8) v1(67.73,47.12) ; v2(68.05,46.8) 68.58,47.33 v7(68.58,47.9) ; v7(92.39,56.97) 92.73,56.64 92.96,56.64 ; v7(92.39,56.97) 92.55,56.97 93.19,57.62 v2(93.19,57.62) ; 94.01,70.6 93.66,70.25 v3(93.66,69.61) 94.01,69.97 94.01,70.6 ; 94.01,70.6 94.4,70.6 v1(94.51,70.71) ; v1(76.58,43.08) 76.58,43.52 v2(76.5,43.6) ; v1(96.14,63.25) 96.14,64.26 v1(95.93,64.46) 96.23,64.76 96.26,64.76 ; 92.94,61.94 92.94,61.77 ; v7(87.59,67.37) v7(87.28,67.12) U3800.E1 ; v7(87.59,67.37) v1(87.12,67.7) v7(86.79,68.02) ; 80.04,50.28 v7(79.75,50) ; v7(79.75,50) 79.37,50.39 v1(79.37,50.41) 78.84,50.41 ; v7(79.75,50) v9(80.16,49.55) U3801.C5 ; v7(69.35,49.2) 69.72,49.57 v1(69.72,49.62) ; v3(80.82,48.33) 80.82,47.22 v7(80.4,46.8) ; v2(89.99,58.27) 89.7,58.04 ; v2(89.99,58.27) v1(89.64,58.54) ; v2(89.99,58.27) 89.99,58.19 v2(90.38,57.81) ; 89.7,58.04 v7(89.19,57.62) ; v7(87.21,59.32) 87.05,59.32 v7(86.79,59.57) v1(87.13,59.91) 87.21,59.82 v7(87.21,59.32) ; v7(87.21,59.32) 87.21,58.7 v7(86.79,58.27) ; 71.88,43.98 72.14,43.98 ; 71.88,43.98 71.95,43.91 v2(71.95,43.6) v2(72.51,43.05) ; 71.88,43.98 v2(71.63,43.98) v7(68.96,43.98) ; v7(72.39,48.13) v7(72.39,48.76) v7(71.95,49.2) ; 94.34,68.37 v7(94.37,68.34) 94.37,67.69 v1(94.37,67.68) 94.41,67.64 94.41,66.47 v1(94.42,66.46) ; 95.21,59.5 95.29,59.57 v2(95.59,59.57) v2(96.34,60.33) 96.14,60.33 v2(95.59,60.87) ; 95.21,59.5 95.21,59.76 ; v1(67.69,43.98) v2(68.45,43.98) v7(68.96,43.98) ; v1(78.18,46.4) 78.7,46.4 ; 78.7,46.4 v2(79.1,46.8) ; 78.7,46.4 v2(78.99,46.4) 79.3,46.4 v1(79.4,46.5) ; v7(79.35,51.2) v7(78.87,51.2) 78.25,51.2 v2(78.1,51.05) 77.85,50.8 v7(77.8,50.8) ; v2(87.59,63.5) 87.42,63.5 87.2,63.72 v1(87.15,63.72) 87.15,63.76 v7(86.79,64.12) ; v7(71.95,49.2) 71.03,48.28 v2(70.99,48.28) ; v7(71.95,49.2) v7(71.95,48.46) ; v7(71.95,49.2) v1(71.63,49.52) 71.55,49.6 70.97,49.6 ; v2(93.99,69.32) v7(94.35,69.68) 94.77,70.11 94.95,70.11 95.21,69.85 v7(95.21,69.03) v7(95.21,68.39) ; 90.93,69.09 v7(91.33,69.09) v7(91.97,68.44) ; v1(69.72,49.62) 69.72,49.72 v7(70,50) ; v1(69.72,49.62) 70.28,49.62 70.42,49.49 ; v1(69.72,49.62) 69.68,49.58 68.43,49.58 v7(68.05,49.2) ; 76.17,45.61 75.56,45.61 75.31,45.36 75.06,45.61 73.63,45.61 73.56,45.54 ; 76.17,45.61 v1(76.23,45.56) ; v7(88.39,55.67) 88.86,55.21 v1(89,55.21) ; v7(89.19,67.37) 88.8,66.99 v1(88.78,66.99) 88.78,66.46 ; v7(89.19,67.37) 88.91,67.66 ; v7(89.19,67.37) 89.64,67.78 U3800.C5 ; v7(80.4,46.8) v7(80.83,46.38) v7(82.04,46.38) ; v7(80.4,46.8) v2(79.75,46) ; v1(95.13,63.81) 95.28,63.81 v2(95.59,64.12) ; v1(93.63,63.85) 93.91,64.12 v7(93.99,64.12) v7(94.39,64.53) v2(94.39,64.84) 94.39,65.17 94.34,65.22 ; v1(93.63,63.85) 93.58,63.8 ; v1(93.63,63.85) 93.61,63.87 v7(93.61,65.04) v2(93.99,65.42) ; v7(70,50) 70.42,49.49 ; v7(95.21,68.39) 95.22,68.39 v2(95.59,68.02) ; v7(95.21,68.39) 95.21,67.76 95.13,67.68 95.19,67.62 v2(95.19,67.31) 95.19,66.98 ; v1(83.69,45.74) 83.57,45.74 83.36,45.54 v3(81.99,45.54) 82.35,45.18 82.98,45.18 v1(83.08,45.09) ; 96.26,64.76 95.93,65.09 ; 96.26,64.76 v2(96.37,64.64) ; 70.1,84.07 70.1,78.23 v1(69.98,78.11) ; v7(88.39,60.87) 88.01,60.49 88.01,59.97 88.01,59.97 88.02,59.96 v7(88.39,59.57) v2(88.78,59.19) 88.78,57.32 v1(88.75,57.29) 88.76,57.29 88.81,57.29 v7(89.19,57.62) ; v1(75.01,78.54) 74.29,79.25 74.29,89.64 ; v2(82.49,44.42) v7(82.06,44.85) v2(81.7,45.2) ; v2(69.35,52.4) v7(69.65,52.03) v2(70,51.6) v1(70.35,51.94) v7(70.65,52.4) 71.08,51.98 v7(71.7,51.98) ; v2(69.35,52.4) v1(69.18,52.71) ; v2(69.35,52.4) v7(68.93,51.97) ; 92.79,66.32 v2(92.79,66.61) 92.79,66.92 v1(92.69,67.02) ; 92.79,66.32 v1(92.79,65.8) ; v2(79.1,46.8) 78.74,47.16 78.74,47.87 ; v2(79.1,46.8) 79.15,46.8 79.4,46.55 v1(79.4,46.5) ; v7(71.7,51.98) 71.7,52.14 v7(71.95,52.4) v1(72.29,52.07) 72.2,51.98 v7(71.7,51.98) ; v2(69.21,47.47) 69.21,46.94 v7(69.35,46.8) 69.35,46.64 v1(69.6,46.4) v2(70,46) U3801.W9 ; v1(78.84,44.77) 78.85,44.78 80.01,44.78 v1(80.06,44.82) 80.06,44.82 v7(80.72,44.82) 80.75,44.85 ; 93.58,63.8 v2(93.58,63.19) 93.83,62.93 ; v2(96.27,62.48) 96.03,62.25 96.03,61.32 v2(95.59,60.87) ; v2(70.65,49.2) 70.57,49.2 70.19,48.81 ; v2(70.65,49.2) v1(70.92,49.55) ; v2(70.65,49.2) 70.42,49.49 ; v7(93.58,66.99) v7(93.58,66.48) ; v7(93.58,66.99) v2(93.19,67.37) ; 87.23,61.31 87.38,61.31 v7(87.59,61.52) ; v7(90.73,59.57) v7(89.99,59.57) ; v7(89.99,59.57) v7(90.43,60.01) ; v7(89.99,59.57) 90.91,58.65 v2(90.91,58.61) ; v2(93.19,57.62) 93.5,57.32 ; v2(93.19,67.37) v7(92.39,68.02) ; v2(93.19,67.37) 93.48,67.66 ; v2(93.19,67.37) v1(92.69,67.02) ; v7(92.39,68.02) v7(91.97,68.44) ; v7(68.05,50.8) 67.56,50.31 v1(67.56,50.16) ; 95.19,66.98 v3(95.19,66.3) v2(95.19,65.73) 95.19,65.1 v3(95.18,65.09) ; 95.19,66.98 v7(94.79,67.37) ; v2(69.35,43.6) 69.34,43.6 v7(68.96,43.98) ; v1(93.66,61.18) 93.58,61.26 ; U3801.W9 69.7,45.69 ; v1(88.65,69.6) 88.65,69.58 v7(88.39,69.32) ; v2(90.38,57.81) 90.97,57.22 ; v7(79.37,45.61) v2(79.75,46) ; v7(79.37,45.61) 80.26,45.61 ; v7(79.37,45.61) v7(78.86,45.61) ; v2(79.75,46) 80.04,45.71 ; v2(79.75,46) v1(79.4,46.5) ; v7(76.5,52.4) 76.14,52.04 v1(76.1,52.04) 76.1,51.99 75.85,51.74 v7(75.85,51.6) ; v2(87.05,61.13) v7(86.79,60.87) ; v7(93.57,57.39) 93.5,57.32 ; v7(93.57,57.39) 93.57,58.36 ; 93.5,57.32 93.58,57.24 ; v1(73.56,44.76) 73.56,44.89 U3801.P10 ; 69.6,48.23 70.19,48.81 ; v7(86.79,58.27) v7(86.49,57.97) ; v1(76.23,45.56) 76.25,45.59 v7(77.42,45.59) v2(77.8,45.2) ; v1(76.23,45.56) 76.5,45.28 v7(76.5,45.2) v7(76.9,44.8) v2(77.22,44.8) 77.55,44.8 v1(77.6,44.85) ; 69.7,45.69 69.62,45.61 ; v1(69.98,78.11) v7(70.48,77.6) v7(71.5,76.58) v1(72.09,76) ; v1(69.98,78.11) 65.91,82.17 v1(65.79,82.17) v1(64.64,82.17) v1(63.25,82.17) 54.74,82.17 ; 83.82,51.05 81.96,51.05 ; 73.69,51.96 73.69,51.81 v7(73.9,51.6) ; v2(92.39,55.67) v2(92.13,55.94) ; v2(92.39,55.67) v7(92.82,55.25) ; v2(73.51,52.14) v7(73.25,52.4) ; v7(69.02,44.78) 69.64,44.78 v3(69.65,44.77) v1(70.36,44.77) ; v2(78.69,76.76) v7(78.69,77.98) v7(78.69,78.99) v7(78.69,80.14) ; 90.86,68.44 v7(91.97,68.44) ; v3(94.42,57.98) v2(94.42,57.66) 94.42,57.27 v3(94.41,57.26) v3(94.41,56.64) ; 90.02,55.67 90.38,55.67 90.55,55.5 v1(90.68,55.5) 90.39,55.21 v1(90.25,55.21) ; v2(73.61,47.16) 73.41,47.36 v1(73.41,47.77) ; v2(75.85,44.4) U3801.N11 73.9,44.25 v1(73.59,43.94)
  TOP w0.279: v2(80.39,42.97) v3(80.67,43.25) ; v3(80.67,43.25) v2(80.4,43.6) 80.06,44.06 v2(79.75,44.4) v1(80.06,44.82) ; v3(80.67,43.25) v2(81.03,42.89) 82.01,42.89 v1(82.68,43.56) ; 89.6,67.83 v7(89.6,65.82) v7(89.99,65.42) 90.45,65.11 v1(90.46,65.12) ; 89.6,67.83 89.6,68.71 89.59,68.72 89.59,68.93 v2(89.48,69.04) ; 89.6,67.83 89.64,67.78 ; v2(95.59,65.42) 95.93,65.09 96.04,65.09 v2(96.3,65.34) v1(95.94,65.7) v2(95.59,65.42) ; v2(95.59,65.42) v3(95.18,65.09) ; 90.62,66.72 90.69,66.8 v1(90.83,66.8) ; v7(73.9,51.6) 73.9,51.72 v1(74.14,51.96) 73.69,51.96 v2(73.51,52.14) ; v2(75.85,50) 76.05,49.81 v1(76.05,49.68) ; v2(80.26,48.33) v2(80.26,48.66) 80.26,49.06 U3801.C5 ; v2(94.79,63.48) v1(94.45,63.81) ; v2(90.86,67.88) v2(90.53,67.88) 90.13,67.88 U3800.C5 ; v3(77.47,44.01) v2(77.8,43.6) v1(78.08,43.25) v2(77.8,42.97) ; v7(80.2,49.59) v7(78.2,49.59) v7(77.8,49.2) 77.49,48.74 v1(77.49,48.73) ; v7(80.2,49.59) v9(80.16,49.55) ; v7(80.2,49.59) 81.37,49.59 ; 95.19,67.18 95.59,66.78 v2(95.59,66.72) v3(95.19,66.3) ; v2(75.85,44.4) v1(76.19,44.74) ; v2(94.79,57.62) v3(94.42,57.98) ; v2(94.79,57.62) 94.42,57.27 ; v2(94.79,57.62) U3800.V12 v2(95.62,58.27) v1(96.03,58.27) ; v2(94.79,57.62) v2(95.59,56.97) 96.14,56.97 ; v2(79.71,42.88) v3(79.35,43.25) v2(79.1,43.6) v1(78.68,44) ; U3800.K11 v1(95.13,63.81) ; v2(73.25,43.6) v1(73.59,43.94) ; v1(77.6,44.85) v2(77.8,45.2) ; v1(79.2,48.48) 79.1,48.58 v2(79.1,49.2) 79.1,49.35 v7(79.75,50) ; v2(70,44.4) v2(70.65,43.6) v1(70.65,43.16) ; v2(70,44.4) v1(70.36,44.77) ; v2(70,44.4) v3(69.65,44.77) ; v2(70,44.4) v2(69.35,43.6) ; v2(93.99,65.42) 94.34,65.22 ; v7(87.59,61.52) 87.47,61.52 v1(87.23,61.76) 87.23,61.31 v2(87.05,61.13) ; v1(94.33,61.21) U3800.P10 ; v2(95.59,64.12) v1(95.93,64.46) ; v1(92.77,65.14) 92.69,65.14 v7(92.39,65.42) v1(92.79,65.8) ; v7(89.19,67.37) 89.38,67.18 v1(89.53,67.18) 89.53,67.03 89.84,66.72 v7(89.99,66.72) ; v1(78.18,46.4) v7(77.8,46.8) 77.52,46.5 77.52,46.43 v1(77.52,46.43) ; v1(73.56,44.76) 73.56,44.74 U3801.N11 ; v3(95.94,68.29) v2(95.59,68.02) 95.13,67.68 v7(94.79,67.37) v1(94.37,67.68)